# KiCad board AmigaPCI 68040.kicad_pcb (continued)
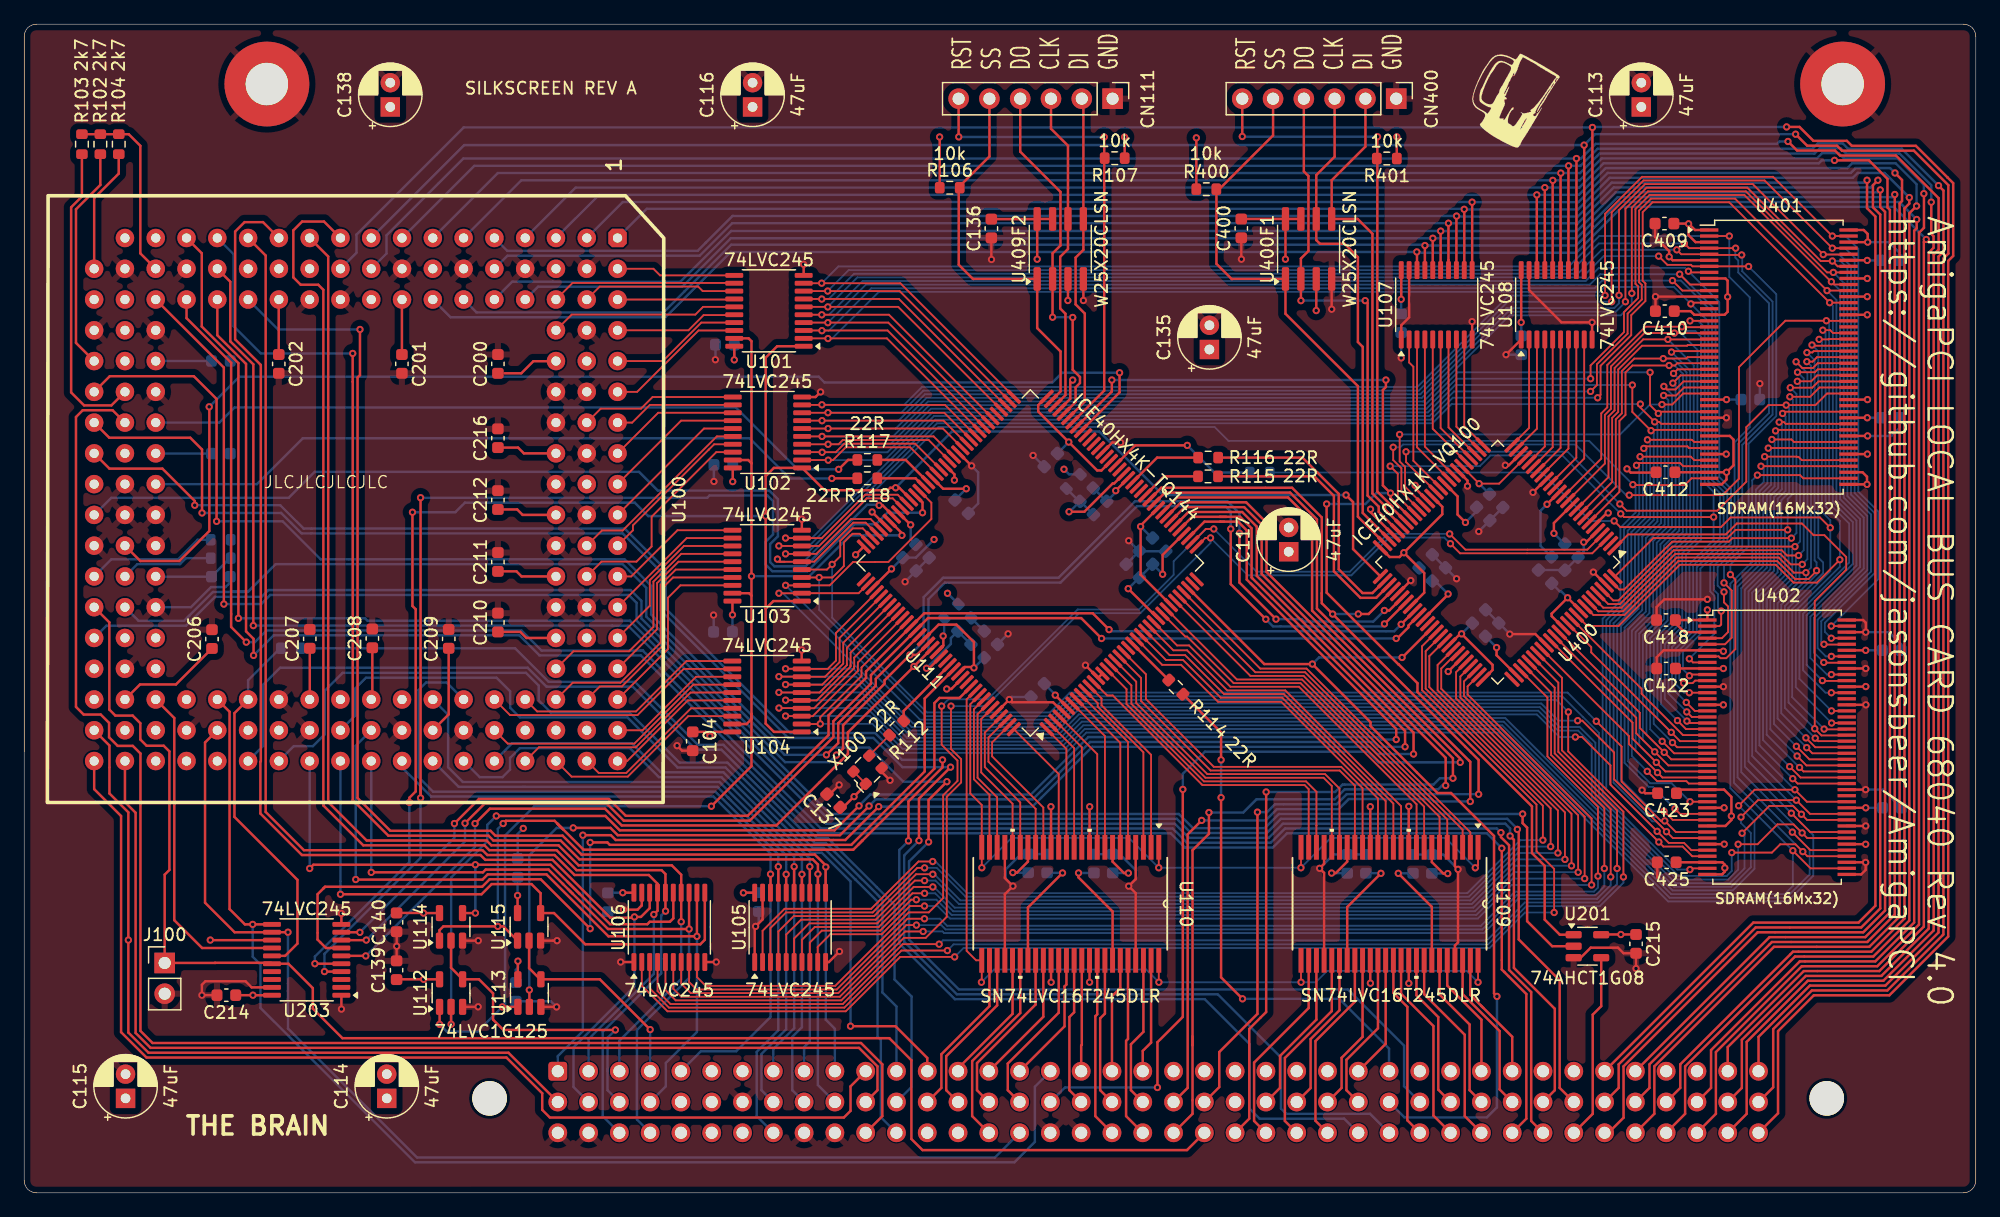
[diagram p0: board, top side]
## Routing (per net, layer and track width the routed paths; a pad name or vN(x,y) marks a point on that pad's centre or on a via; arc(x,y) is an arc through that point) (continued)
_CPURST: length 127.7
  Top w0.2: CN100.c11 70.79,6.33 70.79,10.6 69.03,12.36 10.59,12.36 9.59,13.36 9.59,36.26 8.96,36.89 7.71,36.89 7,37.6 7,38.79 6.31,39.48 4.9,39.48 4.27,40.11 4.27,64.04 4.83,64.6 7.29,64.6 U100.151
_DMA: length 66.7
  Top w0.2: 69.16,29.08 68.83,28.75 ; 69.16,29.08 68.4,28.32 46.14,28.32 43.98,30.48 44.1,30.36 ; 69.16,29.08 75.09,35.01 75.09,40.43 75.51,40.85 77.16,40.85 U111.134 ; U115.1 39.52,21.99 v1(39.07,21.99) 34.58,21.99 34.26,21.67 U114.1 ; 44.18,30.28 44.46,30 44.1,30.36 ; 44.1,30.36 43.75,30.71 39.73,30.71 v1(39.51,30.48)
  Bottom w0.2: v1(39.07,21.99) 39.07,30.04 v1(39.51,30.48)
_EM0CS: length 21.5
  Top w0.15: U400.9 131,58.68 131,63.97 131.5,64.47 131.5,67.97 133.46,69.93 137.18,69.93 137.24,69.98 U401.20
_EM1CS: length 15.4
  Top w0.15: U400.90 133.43,41.6 133.43,41.2 136.85,37.78 U402.20
_EMCAS: length 58.5
  Top w0.15: v1(137.17,38.94) 137.33,38.78 U402.18 ; 138.99,70.97 136.14,70.97 v1(136.14,70.97) 136.13,70.98 133.67,70.98 130.9,68.21 130.9,64.72 130.4,64.22 130.4,60.2 U400.12
  Bottom w0.15: v1(137.17,38.94) 135.34,40.77 135.34,45.3 136.78,46.74 136.78,52.79 138.04,54.05 138.04,69.59 136.66,70.97 v1(136.14,70.97)
_EMRAS: length 58.5
  Top w0.15: U400.10 130.7,59.09 130.7,64.09 131.2,64.59 131.2,68.09 133.57,70.45 v1(135.6,70.45) 135.6,70.45 138.97,70.45 ; v1(136.39,38.99) 137.09,38.28 U402.19
  Bottom w0.15: v1(136.39,38.99) 135.04,40.34 135.04,45.42 136.48,46.86 136.48,52.92 137.74,54.17 137.74,68.31 v1(135.6,70.45)
_EMWE: length 59.3
  Top w0.15: U402.17 137.58,39.28 v1(137.16,39.7) ; U400.13 130.1,60.61 130.1,64.34 130.6,64.84 130.6,68.34 133.76,71.5 136.75,71.5 v1(136.76,71.49) 136.79,71.46 138.98,71.46
  Bottom w0.15: 138.34,69.51 138.34,70.67 137.87,71.14 137.11,71.14 v1(136.76,71.49) ; 138.34,69.51 138.34,70.23 ; 138.34,69.51 138.34,53.92 137.08,52.67 137.08,46.61 135.64,45.17 135.64,41.22 v1(137.16,39.7)
_IPL0: length 146.7
  Top w0.2: v1(72.95,29.05) 72.95,32.31 75.76,35.12 v1(75.76,35.74) ; v1(14.07,56.76) 14.07,57.11 11.4,59.78 7.03,59.78 U100.169
  Bottom w0.2: v1(14.07,56.76) 21.12,56.76 23.05,54.83 49.53,54.83 52.92,51.45 52.92,48.23 63.2,37.95 70.21,37.95 72.42,35.74 v1(75.76,35.74) ; CN100.c27 108.89,6.12 101.91,6.12 101.1,6.93 101.1,12.27 97.39,15.98 76.78,15.98 72.2,20.56 72.2,28.3 v1(72.95,29.05)
_IPL1: length 152.4
  Top w0.2: v1(73.82,29.07) 73.82,32.54 v1(76.42,35.14) ; v1(14.67,56.12) 14.67,61.36 13.7,62.33 7.02,62.33 U100.168
  Bottom w0.2: v1(76.42,35.14) 72.46,35.14 70.04,37.55 63.03,37.55 52.52,48.06 52.52,51.28 49.37,54.43 22.88,54.43 21.19,56.12 v1(14.67,56.12) ; v1(73.82,29.07) 72.6,27.85 72.6,20.73 76.94,16.38 98.47,16.38 103.68,11.17 103.68,6.94 104.1,6.52 111.03,6.52 CN100.c28
_IPL2: length 156
  Top w0.2: v1(74.61,28.96) 74.61,32.43 v1(76.12,33.94) ; v1(15.87,55.43) 15.87,65.53 13.99,67.41 7.06,67.41 U100.167
  Bottom w0.2: v1(15.87,55.43) 21.32,55.43 24.45,52.29 49.53,52.29 51.72,50.11 51.72,47.73 62.7,36.75 69.71,36.75 72.53,33.94 v1(76.12,33.94) ; v1(74.61,28.96) 73,27.35 73,20.89 77.11,16.78 109.2,16.78 113.84,12.14 113.84,8.79 CN100.b29
_LBEN: length 94.9
  Top w0.2: U400.54 110.91,47.78 v1(110.06,47.78) ; v1(101.74,31.42) 101.74,14.77 98.59,11.62 98.59,8.72 CN100.b22 ; 107.05,49.5 107.05,48.67 v1(107.94,47.78) 119.99,35.73 v1(119.99,32.9) ; 107.05,49.5 107.05,55.75 104.6,58.2 93.8,58.2 U111.48 ; 107.05,49.5 107.05,48.92
  Bottom w0.2: v1(101.74,31.42) 102.53,31.42 103.18,32.07 108.27,32.07 109.1,32.9 v1(119.99,32.9) ; v1(110.06,47.78) 107.95,47.78 v1(107.94,47.78)
_LLBE: length 72.1
  Top w0.15: v1(137.12,40.48) 137.82,39.78 U402.16 ; v1(139.37,55.78) 131.98,55.78 v1(131.71,56.05) ; U401.16 v1(137.43,71.98) ; U400.42 113.32,57.48 113.32,59.36 v1(112.69,59.99)
  Bottom w0.15: v1(131.71,56.05) 126.89,60.87 120.97,60.87 120.08,59.99 v1(112.69,59.99) ; v1(137.43,71.98) 138.1,71.98 138.64,71.44 138.64,58.6 139.37,57.86 v1(139.37,55.78) 139.37,53.89 137.38,51.9 137.38,46.49 135.94,45.05 135.94,41.66 v1(137.12,40.48)
_LMBE: length 93.8
  Top w0.15: v1(149.1,39.78) U402.71 ; U400.41 113.62,57.88 113.62,59.82 112.94,60.49 v1(112.94,61.55) ; v1(132.41,57.59) 140.11,57.59 141.47,58.95 141.47,68.17 145.29,71.99 v1(148.68,71.99) 148.69,71.98 U401.71
  Bottom w0.15: v1(112.94,61.55) 113.52,61.55 113.75,61.77 127.98,61.77 132.16,57.59 v1(132.41,57.59) ; v1(149.1,39.78) 146.45,42.43 146.45,47.93 150.56,52.03 150.56,55.25 148.91,56.9 148.91,71.76 v1(148.68,71.99)
_LOCK: length 88.5
  Top w0.2: U100.162 8.31,32.25 9.19,31.37 9.19,13.19 10.42,11.96 68.87,11.96 70.39,10.44 70.39,8.47 CN100.b11
_RESET: length 77.4
  Top w0.2: v1(121.5,16.21) 121.26,16.45 121.26,29.45 117.71,33 116.59,33 111.07,38.53 111.07,38.85 v1(106.27,43.65) ; v1(106.27,43.65) 106.41,43.65 ; v1(106.27,43.65) 102.3,43.65 U111.34 ; U400.63 113.69,44.19 v1(113.67,44.19)
  Bottom w0.2: v1(121.5,16.21) 121.5,7.05 120.67,6.22 113.87,6.22 CN100.b28 ; v1(106.27,43.65) 106.81,44.19 v1(113.67,44.19)
_RSTO: length 157.9
  Top w0.2: U100.129 16.47,68.12 v1(16.47,48.6) ; v1(123.62,31.27) 123.62,30.51 123.99,30.14 123.99,22.42 126.06,20.36 U201.2
  Bottom w0.2: v1(123.62,31.27) 103.51,31.27 102.35,30.1 96.42,30.1 95.25,31.27 66.48,31.27 50.52,47.24 50.52,48.7 49.87,49.35 20.3,49.35 19.55,48.6 v1(16.47,48.6)
_RSTOUT: length 15.4
  Top w0.2: CN100.c34 129.4,6.52 129.4,14.71 130.1,15.41 U201.4
_TA-CPU: length 138.8
  Top w0.2: v1(67.01,36.14) 67.55,36.68 67.55,38.6 70.98,42.02 70.98,42.3 v1(73.07,44.4) 73.64,44.4 U111.124 ; v1(100.25,54.45) 100.25,50.38 v1(103.27,47.36) ; v1(112.21,48.07) 112.62,48.07 U400.56
  Bottom w0.2: v1(73.07,44.4) 74.2,45.53 74.2,49.17 75.8,50.77 85.33,50.77 91.64,57.08 99.26,57.08 100.25,56.09 v1(100.25,54.45) ; v1(67.01,36.14) 66.43,35.55 62.77,35.55 50.92,47.4 50.92,48.87 50.03,49.75 20.13,49.75 19.58,49.2 15.74,49.2 13.35,46.81 6.78,46.81 U100.175 ; v1(112.21,48.07) 111.29,47.16 105.6,47.16 105.4,47.36 v1(103.27,47.36)
_TACK: length 90.5
  Top w0.2: v1(119.3,32.3) 119.3,35.57 106.65,48.22 106.65,55.59 104.43,57.8 94.11,57.8 U111.47 ; CN100.b21 95.98,8.66 95.98,29.59 v1(97.14,30.74)
  Bottom w0.2: v1(97.14,30.74) 102.42,30.74 103.35,31.67 108.44,31.67 109.27,32.5 116.1,32.5 116.3,32.3 v1(119.3,32.3)
_TBI-CPU: length 101.6
  Top w0.2: v1(15.26,64.88) 15.27,64.87 15.27,54.63 12.79,52.15 9.58,52.15 U100.155 ; U111.64 90.36,66.08 v1(90.36,67.7)
  Bottom w0.2: v1(90.36,67.7) 85.62,67.7 84.82,66.9 66.02,66.9 65.54,67.37 17.75,67.37 v1(15.26,64.88)
_TCI: length 82.7
  Top w0.2: 102.46,29.25 102.46,29.93 ; 102.46,29.25 102.46,14.92 101.06,13.53 101.06,6.12 CN100.c23 ; 102.46,29.25 v1(102.46,33.09) ; U111.44 95.43,57 100.81,57 102.49,55.32 102.49,51.25 117.87,35.87 v1(117.87,34.22)
  Bottom w0.2: v1(102.46,33.09) 108.16,33.09 108.77,33.7 116.28,33.7 116.8,34.22 v1(117.87,34.22)
_TCI-CPU: length 77.1
  Top w0.2: U111.101 70.81,56.75 v1(70.53,56.75)
  Bottom w0.2: U100.171 7.18,57.37 21.82,57.37 23.96,59.51 50.73,59.51 52.27,57.97 61.47,57.97 62.18,57.26 62.18,54.19 61.54,53.55 61.54,52.06 61.89,51.71 64.45,51.71 69.54,56.8 70.48,56.8 v1(70.53,56.75)
_TEA: length 85.2
  Top w0.2: 96.38,12.19 96.38,28.28 97.74,29.63 v1(97.74,31.39) ; 96.38,12.19 96.38,6.52 CN100.c21 ; 96.38,12.19 96.38,12.93 ; U111.43 95.74,56.6 100.64,56.6 102.09,55.16 102.09,51.09 117.27,35.91 v1(117.27,33.62)
  Bottom w0.2: v1(97.74,31.39) 100.57,31.39 101.66,32.48 108.12,32.48 108.94,33.3 116.65,33.3 116.97,33.62 v1(117.27,33.62)
_TEA-CPU: length 83.3
  Top w0.2: v1(66.18,36.15) 67.15,37.13 67.15,38.76 70.25,41.86 70.25,42.43 U111.122
  Bottom w0.2: 18.81,49.97 20.74,51.89 49.37,51.89 51.32,49.94 51.32,47.57 62.73,36.15 v1(66.18,36.15) ; 18.81,49.97 18.45,49.6 15.57,49.6 13.65,47.68 ; 18.81,49.97 18.5,49.65 17.2,49.65 17.18,49.63 ; 13.65,47.68 13.19,47.21 9.44,47.21 U100.157 ; 13.65,47.68 13.45,47.48
_TS: length 98.7
  Top w0.2: v1(93.49,8.69) 93.49,12.43 95.58,14.52 v1(95.58,33.3) ; U111.45 95.13,57.4 104.27,57.4 106.25,55.42 106.25,48.06 118.47,35.84 v1(118.47,35.53)
  Bottom w0.2: v1(93.49,8.69) 85.86,8.69 CN100.b17 ; v1(118.47,35.53) 111.74,35.53 110.85,36.42 97.41,36.42 95.58,34.59 v1(95.58,33.3)
_TS-3V: length 119.8
  Top w0.2: 67.95,37.88 67.95,36.23 62.05,30.32 49.3,30.32 47.91,31.71 38.41,31.71 v1(37.19,30.48) ; 67.95,37.88 67.95,38.01 ; 67.95,37.88 67.95,38.01 ; 67.95,38.01 v1(73.4,43.45) U111.125 ; v1(28.18,19.55) 28.17,19.56 26.16,19.56 ; v1(99.54,54.8) 99.54,50.25 v1(102.43,47.35) ; 114.01,48.75 v1(112.22,46.96)
  Bottom w0.2: v1(73.4,43.45) 74.6,44.65 74.6,49 75.97,50.37 85.49,50.37 91.8,56.68 99.09,56.68 99.54,56.24 v1(99.54,54.8) ; v1(102.43,47.35) 103.02,46.76 112.01,46.76 v1(112.22,46.96) ; v1(37.19,30.48) 37.19,28.56 v1(28.18,19.55)
_TS-CPU: length 27.9
  Top w0.2: U100.142 12.38,39.19 12.38,22.5 14.67,20.21 U203.14
_UMBE: length 71.5
  Top w0.15: v1(135.11,65.08) 135.96,65.08 136.86,65.98 U401.28 ; U402.28 137.33,33.78 137.13,33.98 134.71,33.98 v1(133.9,34.79) ; v1(113.47,62.6) 113.47,62.6 113.47,60.38 113.92,59.94 113.92,58.29 U400.40
  Bottom w0.15: v1(113.47,62.6) 131.65,62.6 132.41,63.36 ; 132.41,63.36 132.05,63 ; 132.41,63.36 134.13,65.08 v1(135.11,65.08) 135.34,64.85 135.34,55.17 134.08,53.91 134.08,47.86 132.63,46.4 132.63,36.06 v1(133.9,34.79)
_UUBE: length 87.3
  Top w0.15: v1(114,61.17) 114,60.33 U400.37 ; U402.59 146.31,33.78 v1(145.9,34.19) ; v1(131.64,56.86) 132.2,56.31 139.67,56.31 142.07,58.7 142.07,63.2 143.89,65.03 v1(145.36,65.03) 147.77,65.03 148.73,65.98 U401.59
  Bottom w0.15: v1(114,61.17) 127.33,61.17 v1(131.64,56.86) ; v1(145.36,65.03) 145.61,64.78 145.61,57.82 144.96,57.17 144.96,51.1 143.15,49.29 143.15,36.94 v1(145.9,34.19)
A0: length 49.8
  Top w0.2: v1(23.55,26.77) 23.86,27.08 v1(37.22,27.08) 43.42,27.08 45.83,24.67 ; 44.82,25.68 45.83,24.67 ; 45.83,24.67 48.33,22.17 51.41,22.17 51.61,22.37 53.27,22.37 53.55,22.65 U106.15 ; v1(37.22,23.09) 37.22,23.09 U114.4
  Bottom w0.2: v1(37.22,23.09) v1(37.22,27.08) ; v1(23.55,26.77) U100.102
A0_OUT: length 128.1
  Top w0.2: U112.2 35.21,13.92 v1(35.22,13.91) ; 101.18,50.3 101.61,49.87 ; 101.61,49.87 113.19,38.29 v1(113.19,37.42) ; 101.61,49.87 100.86,50.62 100.86,54.69 100.15,55.4 98.67,55.4 ; v1(68.87,31.94) 66.85,29.92 49.13,29.92 47.94,31.11 v1(38.94,31.11) ; 98.67,55.4 99,55.4 ; 98.67,55.4 97.37,55.4 U111.39
  Bottom w0.2: v1(35.22,13.91) 35.22,24.66 ; 35.22,24.66 35.22,26.03 38.2,29.01 38.2,30.36 v1(38.94,31.11) ; 35.22,24.66 35.22,25.55 ; v1(113.19,37.42) 111.95,37.42 111.75,37.62 87.78,37.62 83.04,32.88 69.79,32.88 68.87,31.95 v1(68.87,31.94)
A1: length 48.5
  Top w0.2: v1(26.09,24.64) 37.73,24.64 38.57,25.48 41.85,25.48 42.6,24.73 U115.4 43.71,23.09 46.29,20.51 55.78,20.51 56.15,20.88 U106.11
  Bottom w0.2: U100.96 v1(26.09,24.64)
A1_OUT: length 120
  Top w0.2: 69.7,31.93 67.3,29.52 48.96,29.52 48.36,30.12 v1(45.29,30.12) ; v1(113.92,36.82) 113.92,38.13 102.95,49.09 ; 102.86,49.18 102.95,49.09 ; 102.95,49.09 101.26,50.79 101.26,54.86 100.31,55.8 98.65,55.8 ; U113.2 41.67,16.74 v1(41.67,16.74) ; U111.41 96.35,55.8 98.65,55.8 ; 98.65,55.8 99.17,55.8
  Bottom w0.2: v1(45.29,30.12) 43.93,30.12 41.67,27.86 v1(41.67,16.74) ; v1(69.7,31.93) 70.24,32.48 83.21,32.48 87.95,37.22 111.32,37.22 111.72,36.82 113.91,36.82 v1(113.92,36.82)
A2: length 62.2
  Top w0.2: v1(27.35,25.86) 27.36,25.85 37.8,25.85 38.23,26.28 43.09,26.28 48.2,21.17 v1(55.5,21.17) U106.12
  Bottom w0.2: U100.89 27.35,36.9 v1(27.35,25.86) ; 55.47,21.15 v1(55.5,21.17) 55.5,13.28 52.93,10.71 52.93,8.78 CN100.b4
A3: length 60.2
  Top w0.2: v1(28.63,26.45) 37.84,26.45 38.07,26.68 43.25,26.68 45.26,24.67 ; 45.26,24.67 48.16,21.77 v1(54.85,21.77) U106.13 ; 45.26,24.67 44.86,25.07
  Bottom w0.2: v1(28.63,26.45) U100.90 ; CN100.c4 50.55,6.04 50.55,13.44 54.85,17.74 v1(54.85,21.77)
A4: length 57.6
  Top w0.2: v1(61.57,26.3) 61.57,24.78
  Bottom w0.2: 31.17,35.11 33.56,32.71 56.86,32.71 61.57,28 v1(61.57,26.3) 61.57,14.51 58.74,11.68 55.83,11.68 CN100.a5
A5: length 56.2
  Top w0.2: v1(62.86,26.29) 62.86,24.78
  Bottom w0.2: 58.04,32.66 57.19,33.51 35.84,33.51 U100.78 ; 58.04,32.66 58.3,32.4 ; 58.04,32.66 62.86,27.84 ; 62.86,27.84 v1(62.86,26.29) 62.86,13.49 60.82,11.46 60.82,8.47 CN100.b8 ; 62.86,27.84 62.61,28.09
A6: length 58.3
  Top w0.2: v1(63.52,26.92) 63.52,26.7 63.51,26.7 63.51,24.77
  Bottom w0.2: U100.76 34.97,39.46 34.97,35.13 36.19,33.91 57.35,33.91 63.52,27.75 v1(63.52,26.92) 63.52,13.59 61.8,11.87 CN100.a8
A7: length 56.2
  Top w0.2: v1(64.16,26.29) 64.16,24.78
  Bottom w0.2: CN100.b9 63.36,8.47 63.36,12.87 64.16,13.66 v1(64.16,26.29) 64.16,27.67 57.52,34.31 52.36,34.31 49.97,36.7 40.89,36.7 40.08,35.89 40.08,34.93 39.46,34.31 37.58,34.31 U100.72
A8: length 50.5
  Top w0.2: v1(64.81,26.92) 64.81,26.92 U105.13
  Bottom w0.2: CN100.a9 64.34,12.02 64.81,12.49 v1(64.81,26.92) 64.81,27.59 57.68,34.71 52.53,34.71 50.13,37.1 40.25,37.1 U100.66
A9: length 70.5
  Top w0.2: v1(62.21,26.92) 62.21,26.92 62.21,24.77
  Bottom w0.2: CN100.c8 60.42,6.33 60.42,11.62 62.21,13.41 v1(62.21,26.92) 62.21,27.93 57.02,33.11 33.73,33.11 32.53,34.31 32.53,41.5 33.15,42.12 34.85,42.12 U100.70
A10: length 117.8
  Top w0.2: 65.48,24.79 v1(65.48,26.31) 65.48,27.1 65.06,27.52 45.81,27.52 44.25,29.08 38.7,29.08 38.3,29.48 30.04,29.48 27.1,32.42 27.1,66.95 27.1,66.95 v1(27.1,69.29)
  Bottom w0.2: v1(65.48,26.31) 65.48,8.89 CN100.b10 ; v1(27.1,69.29) 19.52,69.29 17.27,71.54 17.27,77.48 U100.115
A11: length 109.4
  Top w0.2: v1(27.7,71.27) 27.7,67.5 27.5,67.3 27.5,32.59 30.2,29.88 38.47,29.88 38.87,29.48 44.41,29.48 45.97,27.92 65.22,27.92 66.13,27.02 v1(66.13,26.89) 66.11,26.88 U105.11
  Bottom w0.2: U100.111 20.94,71.27 v1(27.7,71.27) ; v1(66.13,26.89) 66.13,14.28 66.88,13.53 CN100.a10
A12: length 100.6
  Top w0.2: v1(51.94,22.98) 52.25,23.28 U106.17 52.25,25.51 51.53,26.23 45.4,26.23 43.75,27.88 38.2,27.88 37.8,28.28 23.07,28.28 19.92,31.44 19.92,77.37 U100.109
  Bottom w0.2: CN100.a2 46.56,12.69 51.94,18.07 v1(51.94,22.98)
A13: length 108.6
  Top w0.2: U100.103 19.7,80.13 18.18,80.13 17.4,79.35 17.4,70.46 19.52,68.34 19.52,35.62 19.48,35.58 19.48,31.31 22.91,27.88 37.64,27.88 38.04,27.48 43.58,27.48 48.36,22.71 50.27,22.71 v1(50.34,22.77) 50.88,22.77 51.6,23.49 U106.18
  Bottom w0.2: CN100.b2 45.32,8.73 45.32,12.01 50.34,17.03 v1(50.34,22.77)
A14: length 97.1
  Top w0.2: U100.97 25.08,77.29 25.08,32.25 28.25,29.08 38.14,29.08 38.54,28.68 44.08,28.68 45.73,27.03 53.42,27.03 54.2,26.26 U106.14 v1(54.2,22.37)
  Bottom w0.2: CN100.a3 49.1,12.55 54.2,17.65 v1(54.2,22.37)
A15: length 108.8
  Top w0.2: v1(52.91,23.25) 52.9,23.26 U106.16 52.9,26.31 52.58,26.63 45.57,26.63 43.92,28.28 38.37,28.28 37.97,28.68 27.97,28.68 24.68,31.97 24.68,74.54 24.26,74.96 22.81,74.96 22.2,75.57 22.2,79.45 22.93,80.18 24.73,80.18 U100.91
  Bottom w0.2: v1(52.91,23.25) 52.55,22.89 52.55,18.11 47.72,13.29 47.72,6.33 CN100.c3
A16: length 241.2
  Top w0.2: v1(145.4,87.99) 146.46,87.99 147.61,86.84 150.37,86.84 150.78,86.43 156.06,86.43 159.14,83.35 159.14,77.34 158.73,76.93 158.73,21.16 153.87,16.3 147.64,16.3 144.69,13.35 144.69,6.56 CN100.c40 ; U108.11 129.35,79.77 129.37,79.8 v1(129.37,87.95)
  Bottom w0.2: v1(145.4,87.99) 129.41,87.99 v1(129.37,87.95) 36.26,87.95 27.41,79.1 27.41,77.6 U100.92
A17: length 232.9
  Top w0.2: v1(128.69,86.49) 128.7,86.48 U108.12 ; 148.08,7.49 149.05,8.47 ; CN100.b40 144.29,8.7 144.29,13.51 147.48,16.7 153.71,16.7 158.33,21.32 158.33,77.13 158.74,77.54 158.74,83.19 155.89,86.03 149.96,86.03 149.55,86.44 147.09,86.44 v1(146.14,87.39)
  Bottom w0.2: U100.85 36.3,86.49 v1(128.69,86.49) 129.59,87.39 v1(146.14,87.39)
A18: length 223.3
  Top w0.2: v1(127.41,84.78) 127.4,84.77 U108.14 ; CN100.a40 143.08,12.87 147.31,17.1 153.54,17.1 157.93,21.49 157.93,77.29 158.34,77.7 158.34,82.74 v1(157.93,83.15)
  Bottom w0.2: v1(157.93,83.15) 154.88,86.19 150.46,86.19 150.02,86.63 147.97,86.63 147.53,86.19 129.81,86.19 128.4,84.78 v1(127.41,84.78) 37.13,84.78 U100.79
A19: length 233.7
  Top w0.2: v1(145.51,86.79) 146.26,86.04 149.39,86.04 149.8,85.63 154.42,85.63 157.94,82.11 157.94,77.87 157.53,77.46 157.53,21.65 153.38,17.5 147.15,17.5 142.1,12.46 142.1,6.52 CN100.c39 ; U108.13 128.05,79.92 128.06,79.93 v1(128.06,85.38)
  Bottom w0.2: U100.86 29.89,77.54 29.89,79.04 36.23,85.38 v1(128.06,85.38) 128.43,85.38 129.64,86.59 144.61,86.59 144.81,86.79 v1(145.51,86.79)
A20: length 222.4
  Top w0.2: v1(126.77,84.18) 126.75,84.16 U108.15 ; v1(157.33,81.78) 157.33,79.16 157.52,78.97 157.52,78.01 157.12,77.61 157.12,21.81 153.21,17.9 146.98,17.9 141.7,12.62 141.7,8.66 CN100.b39
  Bottom w0.2: U100.73 39.07,84.18 v1(126.77,84.18) 128.36,84.18 129.97,85.79 147.7,85.79 148.14,86.23 149.85,86.23 150.29,85.79 154.72,85.79 157.33,83.18 v1(157.33,81.78)
A21: length 221.6
  Top w0.2: U108.16 126.1,83.57 v1(126.11,83.58) ; v1(156.72,82.48) 156.73,82.47 156.73,79.66 156.32,79.25 156.32,22.14 152.88,18.7 146.65,18.7 139.56,11.62 139.56,6.52 CN100.c38
  Bottom w0.2: v1(156.72,82.48) 156.72,83.23 154.55,85.39 150.13,85.39 149.69,85.83 148.33,85.83 147.89,85.39 130.14,85.39 128.33,83.58 v1(126.11,83.58) 41.01,83.58 U100.67
A22: length 208.8
  Top w0.2: v1(152.03,83.59) 152.03,81.28 152.72,80.6 152.72,23.69 151.33,22.3 142.65,22.3 CN100.a35 ; U107.13 118.15,80.62 v1(118.17,80.63)
  Bottom w0.2: v1(152.03,83.59) 151.83,83.39 130.97,83.39 128.17,80.59 118.21,80.59 v1(118.17,80.63) 118.16,80.64 58.44,80.64 55.55,77.76 39.85,77.76 U100.61
A23: length 209.4
  Top w0.2: v1(156.92,78.7) 156.72,78.5 156.72,21.98 153.04,18.3 146.82,18.3 140.54,12.03 CN100.a39 ; v1(114.89,77.67) 114.9,77.66 U107.18
  Bottom w0.2: U100.75 35.17,72.28 52.9,72.28 58.29,77.67 v1(114.89,77.67) 114.96,77.6 128.03,77.6 131.82,81.39 154.23,81.39 v1(156.92,78.7)
A24: length 209.6
  Top w0.2: U108.17 v1(125.45,82.98) ; CN100.a36 143.99,21.1 151.89,21.1 153.92,23.14 153.92,81.14 153.72,81.34 153.72,83.7 152.19,85.23 v1(149.35,85.23)
  Bottom w0.2: v1(149.35,85.23) 148.3,85.23 148.06,84.99 130.3,84.99 128.29,82.98 v1(125.45,82.98) 45.49,82.98 U100.55
A25: length 210.8
  Top w0.2: v1(156.13,80.35) 156.13,79.63 155.92,79.42 155.92,22.31 152.71,19.1 146.48,19.1 139.16,11.78 139.16,8.66 CN100.b38 ; 115.55,76.17 115.55,78.2 v1(115.56,78.2)
  Bottom w0.2: v1(156.13,80.35) 154.69,81.79 131.63,81.79 128.04,78.2 v1(115.56,78.2) 115.49,78.27 58.33,78.27 52.74,72.68 37.31,72.68 U100.69
A26: length 212.5
  Top w0.2: v1(117.5,80.04) 117.5,77.02 117.5,77.01 U107.14 ; CN100.b35 131.54,8.66 131.54,10.6 140.11,19.17 ; 140.11,19.17 142.84,21.9 151.55,21.9 153.12,23.47 153.12,80.76 152.52,81.36 152.52,83.18 v1(152.93,83.59) ; 140.11,19.17 140.4,19.45
  Bottom w0.2: U100.62 39.87,77.36 55.72,77.36 58.4,80.04 v1(117.5,80.04) 117.51,80.03 128.17,80.03 131.13,82.99 152.33,82.99 v1(152.93,83.59)
A27: length 212.4
  Top w0.2: v1(156.12,81.46) 155.52,80.86 155.52,22.47 152.55,19.5 146.09,19.5 137.02,10.44 137.02,6.52 CN100.c37 ; 124.79,76.18 v1(124.79,82.38)
  Bottom w0.2: v1(156.12,81.46) 156.12,83.26 154.39,84.99 150.81,84.99 150.41,84.59 130.47,84.59 128.26,82.38 v1(124.79,82.38) 47.43,82.38 U100.37
A28: length 213.9
  Top w0.2: v1(116.86,79.39) 116.85,79.39 U107.15 ; v1(153.12,82.79) 153.12,81.38 153.52,80.98 153.52,23.3 151.72,21.5 143.01,21.5 131.94,10.44 131.94,6.2 130.7,4.95
  Bottom w0.2: v1(153.12,82.79) 152.92,82.59 131.3,82.59 128.1,79.39 v1(116.86,79.39) 116.85,79.4 58.33,79.4 54.13,75.2 43.62,75.2 43.61,75.22 40.27,75.22 U100.63
A29: length 209.3
  Top w0.2: v1(154.34,84.19) 154.92,83.61 154.92,81.87 154.72,81.67 154.72,22.8 152.22,20.3 144.35,20.3 134.48,10.44 134.48,6.52 CN100.c36 ; v1(119.45,81.78) 119.45,81.78 119.45,76.17
  Bottom w0.2: v1(154.34,84.19) 153.94,84.59 151.09,84.59 150.69,84.19 130.63,84.19 128.22,81.78 v1(119.45,81.78) 119.44,81.79 49.38,81.79 U100.19
A30: length 207.6
  Top w0.2: v1(154.32,82.41) 154.32,22.97 152.05,20.7 144.18,20.7 134.08,10.6 134.08,8.66 CN100.b36 ; U107.16 116.2,78.79 116.21,78.79 v1(116.21,78.8)
  Bottom w0.2: U100.57 42.39,74.8 54.29,74.8 58.29,78.8 v1(116.21,78.8) 116.22,78.79 128.06,78.79 131.46,82.19 154.1,82.19 v1(154.32,82.41)
A31: length 201.5
  Top w0.2: U107.12 118.8,81.19 v1(118.8,81.19) ; CN100.b37 136.62,8.66 136.62,10.6 145.92,19.9 152.38,19.9 155.12,22.64 155.12,81.26 155.52,81.66 v1(155.52,82.16)
  Bottom w0.2: v1(155.52,82.16) 153.49,84.19 151.26,84.19 150.86,83.79 130.8,83.79 128.19,81.18 118.86,81.18 118.85,81.19 v1(118.8,81.19) 118.76,81.23 51.36,81.23 U100.1
AA0: length 26
  Top w0.2: U114.2 35.21,18.58 U112.4 37.52,17.62 38.68,16.46 38.68,14.29 39.53,13.44 v1(48.77,13.44)
  Bottom w0.2: CN100.b3 48.12,8.47 48.12,10.06 ; v1(48.77,13.44) 48.12,12.8 48.12,10.06 ; 48.12,10.06 48.12,10.26
AA1: length 17.5
  Top w0.2: v1(51.64,13.47) 47.49,17.62 U113.4 ; 42.62,17.57 41.65,18.54 41.65,20.52
  Bottom w0.2: CN100.a4 v1(51.64,13.47)
BANK0: length 58.8
  Top w0.15: U402.22 136.36,36.78 v1(135.98,37.17) ; U401.22 137.23,68.98 137.12,68.87 135.22,68.87 v1(135.22,68.87) 132.83,68.87 131.8,67.84 131.8,64.35 131.3,63.85 131.3,58.27 U400.8
  Bottom w0.15: v1(135.22,68.87) 136.01,68.87 137.14,67.74 137.14,54.42 135.88,53.17 135.88,47.11 134.44,45.67 134.44,38.71 v1(135.98,37.17)
BANK1: length 58.7
  Top w0.15: U400.7 131.6,57.87 131.6,63.72 132.1,64.22 132.1,67.72 132.68,68.3 v1(135.7,68.3) 136.19,68.3 136.38,68.48 U401.23 ; v1(135.13,37.27) 136.12,36.28 U402.23
  Bottom w0.15: 136.84,67.61 136.15,68.3 v1(135.7,68.3) ; 136.84,67.61 136.84,67.11 ; 136.84,67.61 136.84,67.11 ; 136.84,67.11 136.84,54.55 135.58,53.29 135.58,47.24 134.14,45.79 134.14,38.27 v1(135.13,37.27)
BCLKA: length 60.8
  Top w0.2: R117.2 67.97,60.5 v1(67.19,59.72)
  Bottom w0.2: v1(67.19,59.72) 63.81,59.72 58.7,64.83 17.35,64.83 16.1,63.58 U100.133
BCLKB: length 22.3
  Top w0.2: U400.53 111.54,49.11 110.24,49.11 108.05,51.31 108.05,57.53 106.44,59.14 R115.2
BCLKC: length 42.8
  Top w0.2: v1(100.51,16.01) 98.74,17.78 v1(98.74,32.62) ; R114.2 98.74,38.01 v1(98.74,35.74)
  Bottom w0.2: v1(100.51,16.01) 108.49,16.01 112.6,11.9 CN100.a28 ; v1(98.74,35.74) v1(98.74,32.62)
BUFDIR: length 65
  Top w0.15: U110.1 93.6,26.84 v1(93.6,26.83) ; U109.24 105.33,26.84 v1(105.33,26.83) ; U111.136 78.05,40.33 78.05,32.96 79,32.02 U110.24 79,26.84 v1(79,26.83) ; U109.1 119.94,27.06 v1(119.71,26.83)
  Bottom w0.15: v1(79,26.83) 81.46,29.3 91.13,29.3 v1(93.6,26.83) v1(105.33,26.83) 107.79,29.3 117.24,29.3 v1(119.71,26.83)
CDONE: length 90.4
  Top w0.2: v1(107.45,56.86) 107.45,49.54 113.36,43.63 113.38,43.63 114.94,42.07 114.94,41.34 124.39,31.9 124.39,28.04 125.44,26.99 125.44,22.55 126.69,21.31 U201.1 ; U111.65 89.73,66.15 v1(89.73,67.1) ; v1(112.34,67.1) 112.34,66.52 112.09,66.27 112.09,58.39 v1(112.72,57.76) 112.72,57.37 U400.43
  Bottom w0.2: v1(107.45,56.86) 110.65,56.86 111.55,57.76 v1(112.72,57.76) ; v1(89.73,67.1) v1(112.34,67.1)
D0: length 15.3
  Top w0.15: U100.39 45.24,75.11 58.55,75.11
D1: length 12.8
  Top w0.15: U100.21 47.48,74.81 55.6,74.81 55.97,74.44 U101.13
D2: length 15.5
  Top w0.15: U100.40 45.16,72.5 55.36,72.5 56,73.14 58.58,73.14
D3: length 9.9
  Top w0.15: U100.2 51.91,76.28 52.45,75.74 U101.11
D4: length 9.6
  Top w0.15: U100.3 58.53,73.74
D5: length 10.1
  Top w0.15: 58.55,72.46 56.05,72.46 54.79,71.2 U100.4
D6: length 10.9
  Top w0.15: U100.5 52.68,68.66 55.85,71.84 U101.17
D7: length 11.7
  Top w0.15: U101.18 55.63,71.19 50.56,66.12 U100.6
D8: length 12.9
  Top w0.15: U100.25 47.56,64.74 50.88,64.74 51.84,65.69 58.45,65.69
D9: length 10.1
  Top w0.15: 58.45,65.04 51.61,65.04 50.15,63.58 U100.7
D10: length 10.9
  Top w0.15: 58.45,64.39 52.3,64.39 U100.8
D11: length 11.7
  Top w0.15: U100.9 54.19,63.74 58.45,63.74
D12: length 12.5
  Top w0.15: U100.10 56.08,63.09 58.45,63.09
D13: length 13.2
  Top w0.15: 58.45,61.79 56.92,61.79 56.48,61.35 56.47,61.35 50.22,55.1 50.22,54.69 U100.11
D14: length 11.1
  Top w0.15: U103.11 53.89,54.7 50.08,50.88 U100.12
D15: length 11.8
  Top w0.15: U100.13 54.65,54.05 U103.12
D16: length 15.8
  Top w0.15: U100.29 47.66,54.67 49.37,54.67 57.14,62.44 58.45,62.44
D17: length 13.9
  Top w0.15: U103.13 54.43,53.4 51.61,50.58 51.61,48.46 U100.14
D18: length 17.7
  Top w0.15: U100.30 47.63,52.1 50.51,52.1 51.76,53.35 51.76,55.81 57.09,61.14 58.45,61.14
D19: length 15.4
  Top w0.15: U100.15 52.21,46.52 52.21,50.33 53.98,52.1 U103.15
D20: length 15.9
  Top w0.15: U100.16 53.11,44.88 53.11,49.12 54.13,50.15 U103.18
D21: length 11.3
  Top w0.15: U104.13 55.42,42.6 51.01,38.18 U100.17
D22: length 19
  Top w0.15: U100.34 47.49,41.8 49.31,41.8 52.81,45.3 52.81,50.08 53.52,50.8 U103.17
D23: length 20.7
  Top w0.15: U100.51 45.31,44.7 49.9,44.7 51.91,46.71 51.91,50.45 54.2,52.75 58.43,52.75
D24: length 11.5
  Top w0.15: U104.16 54.75,40.65 49.74,35.64 U100.18
D25: length 21.8
  Top w0.15: U100.52 45.25,42.1 49.18,42.1 52.51,45.43 52.51,50.21 53.75,51.45 U103.16
D26: length 14.6
  Top w0.15: U100.36 47.39,34.66 49.67,34.66 55.01,40 U104.17
D27: length 19.2
  Top w0.15: U104.11 54.63,43.9 50.47,39.74 42.31,39.74 U100.58
D28: length 17.1
  Top w0.15: U100.54 45.15,34.36 49.79,34.36 54.78,39.35 U104.18